# Altium PCB Goldstrike1_Rev01 2014 06 02 2.PcbDoc (part 1 of 6) (continued)
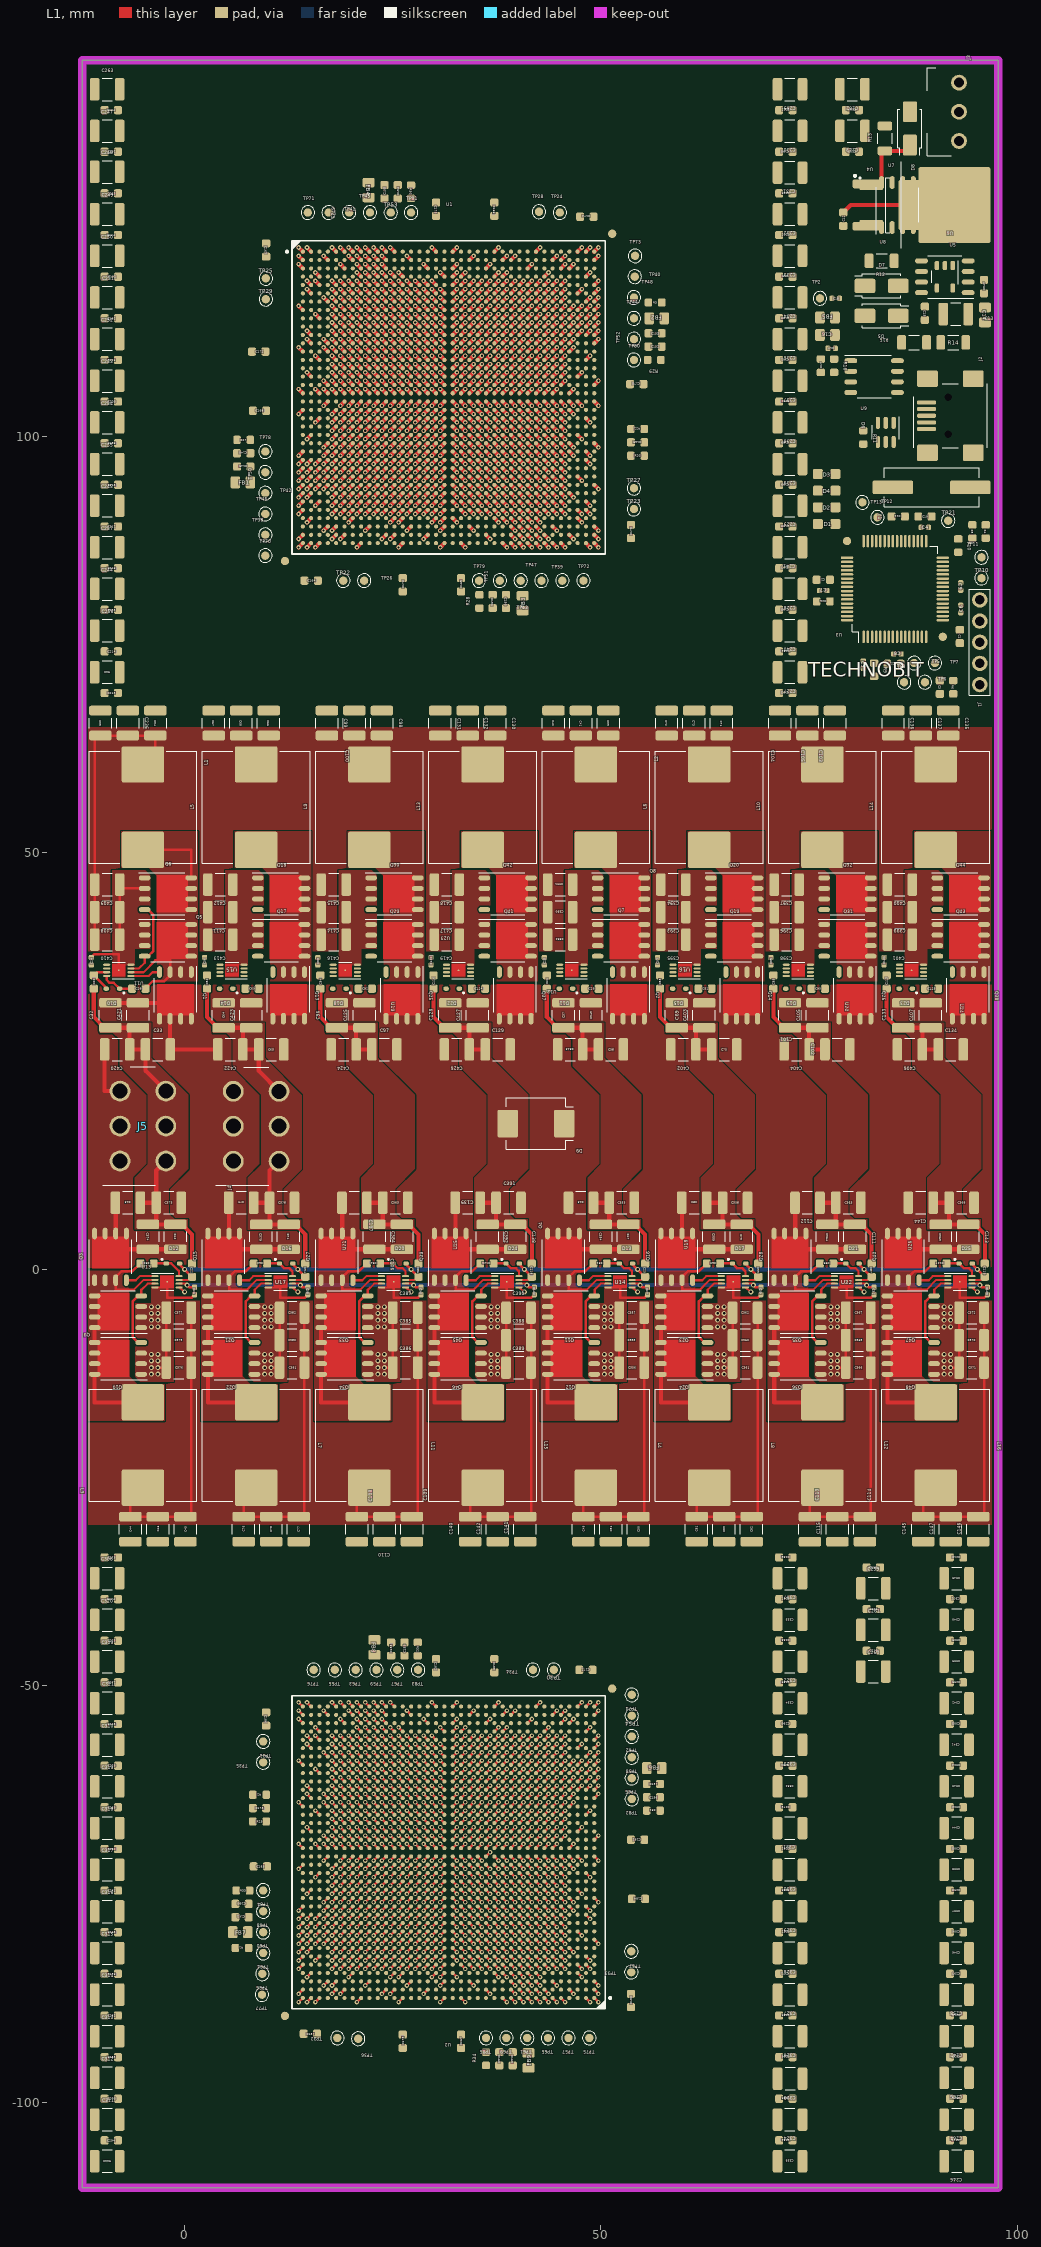
[diagram p0: L1 view]
## Design rules (kind name [scope] priority, off if disabled: settings) (continued)
PolygonConnect "Polygon Connect Style - L4 Round thru-hole pad from global defaults" [IsPad And OnMultiLayer And (PadShape_BottomLayer = 'Round') And (PadXSize_BottomLayer = PADYSize_BottomLayer) vs Layer = 'L4'] p23: connectstyle=Relief reliefconductorwidth=0.5 reliefentries=4 polygonreliefangle="90 Angle" airgapwidth=0.254
PolygonConnect "Polygon Connect Style - Via from round thru-hole global defaults" [IsVia] p24: connectstyle=Relief reliefconductorwidth=0.5 reliefentries=4 polygonreliefangle="90 Angle" airgapwidth=0.254
PolygonConnect "Polygon Connect Style - L1 Round thru-hole pad from global defaults" [IsPad And OnMultiLayer And (PadShape_TopLayer = 'Round') And (PadXSize_TopLayer = PADYSize_TopLayer) vs Layer = 'L1'] p25: connectstyle=Relief reliefconductorwidth=0.5 reliefentries=4 polygonreliefangle="90 Angle" airgapwidth=0.254
PolygonConnect "Polygon Connect Style - L4 Square thru-hole pad from global defaults" [IsPad And OnMultiLayer And ((PadShape_BottomLayer = 'Rectangular') Or (PadShape_BottomLayer = 'Octagonal') Or (PadShape_BottomLayer = 'Rounded Rectangle')) And (PadXSize_BottomLayer = PADYSize_BottomLayer) vs Layer = 'L4'] p26: connectstyle=Relief reliefconductorwidth=0.5 reliefentries=4 polygonreliefangle="90 Angle" airgapwidth=0.254
PolygonConnect "Polygon Connect Style - L1 Square thru-hole pad from global defaults" [IsPad And OnMultiLayer And ((PadShape_TopLayer = 'Rectangular') Or (PadShape_TopLayer = 'Octagonal') Or (PadShape_TopLayer = 'Rounded Rectangle')) And (PadXSize_TopLayer = PADYSize_TopLayer) vs Layer = 'L1'] p27: connectstyle=Relief reliefconductorwidth=0.5 reliefentries=4 polygonreliefangle="90 Angle" airgapwidth=0.254
PolygonConnect "Polygon Connect Style - L4 Rect thru-hole pad from global defaults" [IsPad And OnMultiLayer And ((PadShape_BottomLayer = 'Rectangular') Or (PadShape_BottomLayer = 'Octagonal') Or (PadShape_BottomLayer = 'Rounded Rectangle')) And (PadXSize_BottomLayer <> PADYSize_BottomLayer) vs Layer = 'L4'] p28: connectstyle=Relief reliefconductorwidth=0.5 reliefentries=4 polygonreliefangle="90 Angle" airgapwidth=0.254
PolygonConnect "Polygon Connect Style - L4 Square-rect thru-hole pad from global defaults" [IsPad And OnMultiLayer And (PadShape_BottomLayer = 'Rounded Rectangle') And (PadXSize_BottomLayer = PADYSize_BottomLayer) And (Pad_CornerRadius_BottomLayer = '0%') vs Layer = 'L4'] p29: connectstyle=Relief reliefconductorwidth=0.5 reliefentries=4 polygonreliefangle="90 Angle" airgapwidth=0.254
PolygonConnect "Polygon Connect Style - L1 Rect thru-hole pad from global defaults" [IsPad And OnMultiLayer And ((PadShape_TopLayer = 'Rectangular') Or (PadShape_TopLayer = 'Octagonal') Or (PadShape_TopLayer = 'Rounded Rectangle')) And (PadXSize_TopLayer <> PADYSize_TopLayer) vs Layer = 'L1'] p30: connectstyle=Relief reliefconductorwidth=0.5 reliefentries=4 polygonreliefangle="90 Angle" airgapwidth=0.254
PolygonConnect "Polygon Connect Style - L1 Square-rect thru-hole pad from global defaults" [IsPad And OnMultiLayer And (PadShape_TopLayer = 'Rounded Rectangle') And (PadXSize_TopLayer = PADYSize_TopLayer) And (Pad_CornerRadius_TopLayer = '0%') vs Layer = 'L1'] p31: connectstyle=Relief reliefconductorwidth=0.5 reliefentries=4 polygonreliefangle="90 Angle" airgapwidth=0.254
PolygonConnect "Polygon Connect Style - L4 Oval thru-hole pad from global defaults" [IsPad And OnMultiLayer And (PadShape_BottomLayer = 'Round') And (PadXSize_BottomLayer <> PADYSize_BottomLayer) vs Layer = 'L4'] p32: connectstyle=Relief reliefconductorwidth=0.5 reliefentries=4 polygonreliefangle="90 Angle" airgapwidth=0.254
PolygonConnect "Polygon Connect Style - L4 Round-oval thru-hole pad from global defaults" [IsPad And OnMultiLayer And (PadShape_BottomLayer = 'Rounded Rectangle') And (PadXSize_BottomLayer = PADYSize_BottomLayer) And (Pad_CornerRadius_BottomLayer = '100%') vs Layer = 'L4'] p33: connectstyle=Relief reliefconductorwidth=0.5 reliefentries=4 polygonreliefangle="90 Angle" airgapwidth=0.254
PolygonConnect "Polygon Connect Style - L1 Oval thru-hole pad from global defaults" [IsPad And OnMultiLayer And (PadShape_TopLayer = 'Round') And (PadXSize_TopLayer <> PADYSize_TopLayer) vs Layer = 'L1'] p34: connectstyle=Relief reliefconductorwidth=0.5 reliefentries=4 polygonreliefangle="90 Angle" airgapwidth=0.254
PolygonConnect "Polygon Connect Style - L1 Round-oval thru-hole pad from global defaults" [IsPad And OnMultiLayer And (PadShape_TopLayer = 'Rounded Rectangle') And (PadXSize_TopLayer = PADYSize_TopLayer) And (Pad_CornerRadius_TopLayer = '100%') vs Layer = 'L1'] p35: connectstyle=Relief reliefconductorwidth=0.5 reliefentries=4 polygonreliefangle="90 Angle" airgapwidth=0.254
PolygonConnect [All] p36: connectstyle=Relief reliefconductorwidth=0.254 reliefentries=4 polygonreliefangle="90 Angle" airgapwidth=0.254
RoutingLayers "'Default' PADS rule_3" [All] p1: top layer_v5=TRUE bottom layer_v5=TRUE
RoutingPriority "'Default' PADS rule_2" [All] p1: routingpriority=3
RoutingTopology "'Default' PADS rule" [All] p1: topology=Shortest
RoutingVias "'Default' PADS rule_4" [All] p1: holewidth=0.3 width=0.6 viastyle="Through Hole" minholewidth=0.3 minwidth=0.6 maxholewidth=0.3 maxwidth=0.6
SMDToCorner "'All on Layer' PADS rule_33" [OnLayer('L1') vs OnLayer('L1')] p1: distance=39370
SMDToCorner "'Default' PADS rule_17" [All] p2: distance=39370
SMDToPlane "'All on Layer' PADS rule_34" [OnLayer('L1') vs OnLayer('L1')] p1: distance=39370
SMDToPlane "'Default' PADS rule_18" [All] p2: distance=39370
SolderMaskExpansion [All] p1: expansion=0.102
StubLength "'Default' PADS rule_6" [All] p1: limit=25.4
Width "'All on Layer' PADS rule" [OnLayer('L1') vs OnLayer('L1')] p1: maxlimit=3 minlimit=0.2 preferedwidth=0.3
Width "'Default' PADS rule_14" [All] p2: maxlimit=3 minlimit=0.2 preferedwidth=0.5
22 further rules are at their usual default settings.

## Components (designator, comment, footprint, x,y, rotation, side; value= is the part's Value field where it differs from the comment)
C1 "SMD_0603_CAPC1608X95N" SMD_0603_CAPC1608X95N 93.1,76 r270 top
C2 "SMD_0603_CAPC1608X95N" SMD_0603_CAPC1608X95N 76.7,82.8 r180 top
C3 "SMD_0603_CAPC1608X95N" SMD_0603_CAPC1608X95N 90.7,69.9 r270 top
C4 "SMD_0402_CAPC1005X55N" SMD_0402_CAPC1005X55N 88.9,89.1 r0 top
C5 "SMD_0402_CAPC1005X55N" SMD_0402_CAPC1005X55N 81.5,72.6 r270 top
C6 "SMD_0402_CAPC1005X55N" SMD_0402_CAPC1005X55N 93.2,79.3 r90 top
C7 "SMD_0402_CAPC1005X55N" SMD_0402_CAPC1005X55N 76.7,81.5 r180 top
C8 "SMD_0402_CAPC1005X55N" SMD_0402_CAPC1005X55N 85.6,73.9 r180 top
C9 "SMD_0402_CAPC1005X55N" SMD_0402_CAPC1005X55N 93.2,82 r270 top
C10 "SMD_0603_CAPC1608X95N" SMD_0603_CAPC1608X95N 88.9,90.4 r0 top
C11 "SMD_0603_CAPC1608X95N" SMD_0603_CAPC1608X95N 85.7,90.4 r180 top
C12 "SMD_0603_CAPC1608X95N" SMD_0603_CAPC1608X95N 79.1,126.1 r90 top
C13 "SMD_1210_CAPC3225X279N" SMD_1210_CAPC3225X279N 92.6,114.7 r0 top
C14 "SMD_0805_CAPC2012X145N" SMD_0805_CAPC2012X145N 96.1,114.6 r270 top
C15 "SMD_0603_CAPC1608X95N" SMD_0603_CAPC1608X95N 88.9,114.8 r270 top
C16 "SMD_0805_CAPC2012X145N" SMD_0805_CAPC2012X145N 77.2,112.2 r180 top
C17 "SMD_0402_CAPC1005X55N" SMD_0402_CAPC1005X55N 77.7,110.6 r180 top
C18 "SMD_0402_CAPC1005X55N" SMD_0402_CAPC1005X55N 78.2,116.6 r0 top
C19 "SMD_0603_CAPC1608X95N" SMD_0603_CAPC1608X95N 72.2,119.2 r180 top
C20 "SMD_0603_CAPC1608X95N" SMD_0603_CAPC1608X95N -10.9,34.5 r90 top
C21 "SMD_0603_CAPC1608X95N" SMD_0603_CAPC1608X95N 43.5,34.5 r90 top
C22 "SMD_0603_CAPC1608X95N" SMD_0603_CAPC1608X95N 0.9,-0.1 r270 top
C23 "SMD_0603_CAPC1608X95N" SMD_0603_CAPC1608X95N 55.3,-0.1 r270 top
C24 "SMD_0402_CAPC1005X55N" SMD_0402_CAPC1005X55N -11.2,37 r90 top
C25 "SMD_0402_CAPC1005X55N" SMD_0402_CAPC1005X55N 43.2,37 r90 top
C26 "SMD_0402_CAPC1005X55N" SMD_0402_CAPC1005X55N 1.2,-2.6 r270 top
C27 "SMD_0402_CAPC1005X55N" SMD_0402_CAPC1005X55N 55.6,-2.6 r270 top
C28 "SMD_0603_CAPC1608X95N" SMD_0603_CAPC1608X95N -5.5,33.7 r0 top
C29 "SMD_0603_CAPC1608X95N" SMD_0603_CAPC1608X95N 48.9,33.7 r0 top
C30 "SMD_0603_CAPC1608X95N" SMD_0603_CAPC1608X95N -4.5,0.7 r180 top
C31 "SMD_0603_CAPC1608X95N" SMD_0603_CAPC1608X95N 49.9,0.7 r180 top
C32 "SMD_1210_CAPC3225X270N" SMD_1210_CAPC3225X270N -8.9,30.5 r90 top
C33 "SMD_1210_CAPC3225X270N" SMD_1210_CAPC3225X270N -3.2,26.4 r0 top
C34 "SMD_1210_CAPC3225X279N" SMD_1210_CAPC3225X279N -3.5,65.6 r270 top
C35 "SMD_1210_CAPC3225X279N" SMD_1210_CAPC3225X279N -10.1,65.6 r270 top
C36 "SMD_1210_CAPC3225X279N" SMD_1210_CAPC3225X279N -9.3,71.7 r0 top
C37 "SMD_1210_CAPC3225X270N" SMD_1210_CAPC3225X270N 45.5,30.5 r90 top
C38 "SMD_1210_CAPC3225X270N" SMD_1210_CAPC3225X270N 51.2,26.4 r0 top
C39 "SMD_1210_CAPC3225X279N" SMD_1210_CAPC3225X279N 50.9,65.6 r270 top
C40 "SMD_1210_CAPC3225X279N" SMD_1210_CAPC3225X279N 44.3,65.6 r270 top
C41 "SMD_1210_CAPC3225X279N" SMD_1210_CAPC3225X279N 47.6,65.6 r270 top
C42 "SMD_1210_CAPC3225X270N" SMD_1210_CAPC3225X270N -1.1,3.9 r270 top
C43 "SMD_1210_CAPC3225X270N" SMD_1210_CAPC3225X270N -6.8,8 r180 top
C44 "SMD_1210_CAPC3225X279N" SMD_1210_CAPC3225X279N -6.5,-31.2 r90 top
C45 "SMD_1210_CAPC3225X279N" SMD_1210_CAPC3225X279N 0.1,-31.2 r90 top
C46 "SMD_1210_CAPC3225X279N" SMD_1210_CAPC3225X279N -3.2,-31.2 r90 top
C47 "SMD_1210_CAPC3225X270N" SMD_1210_CAPC3225X270N 53.3,3.9 r270 top
C48 "SMD_1210_CAPC3225X270N" SMD_1210_CAPC3225X270N 47.6,8 r180 top
C49 "SMD_1210_CAPC3225X279N" SMD_1210_CAPC3225X279N 47.9,-31.2 r90 top
C50 "SMD_1210_CAPC3225X279N" SMD_1210_CAPC3225X279N 54.5,-31.2 r90 top
C51 "SMD_1210_CAPC3225X279N" SMD_1210_CAPC3225X279N 51.2,-31.2 r90 top
C52 "SMD_0603_CAPC1608X95N" SMD_0603_CAPC1608X95N 2.7,34.5 r90 top
C53 "SMD_0603_CAPC1608X95N" SMD_0603_CAPC1608X95N 57.1,34.5 r90 top
C54 "SMD_0603_CAPC1608X95N" SMD_0603_CAPC1608X95N 14.5,-0.1 r270 top
C55 "SMD_0603_CAPC1608X95N" SMD_0603_CAPC1608X95N 68.9,-0.1 r270 top
C56 "SMD_0402_CAPC1005X55N" SMD_0402_CAPC1005X55N 2.4,37 r90 top
C57 "SMD_0402_CAPC1005X55N" SMD_0402_CAPC1005X55N 56.8,37 r90 top
C58 "SMD_0402_CAPC1005X55N" SMD_0402_CAPC1005X55N 14.8,-2.6 r270 top
C59 "SMD_0402_CAPC1005X55N" SMD_0402_CAPC1005X55N 69.2,-2.6 r270 top
C60 "SMD_0603_CAPC1608X95N" SMD_0603_CAPC1608X95N 8.1,33.7 r0 top
C61 "SMD_0603_CAPC1608X95N" SMD_0603_CAPC1608X95N 62.5,33.7 r0 top
C62 "SMD_0603_CAPC1608X95N" SMD_0603_CAPC1608X95N 9.1,0.7 r180 top
C63 "SMD_0603_CAPC1608X95N" SMD_0603_CAPC1608X95N 63.5,0.7 r180 top
C64 "SMD_1210_CAPC3225X270N" SMD_1210_CAPC3225X270N 4.7,30.5 r90 top
C65 "SMD_1210_CAPC3225X270N" SMD_1210_CAPC3225X270N 10.4,26.4 r0 top
C66 "SMD_1210_CAPC3225X279N" SMD_1210_CAPC3225X279N 10.1,65.6 r270 top
C67 "SMD_1210_CAPC3225X279N" SMD_1210_CAPC3225X279N 3.5,65.6 r270 top
C68 "SMD_1210_CAPC3225X279N" SMD_1210_CAPC3225X279N 6.8,65.6 r270 top
C69 "SMD_1210_CAPC3225X270N" SMD_1210_CAPC3225X270N 59.1,30.5 r90 top
C70 "SMD_1210_CAPC3225X270N" SMD_1210_CAPC3225X270N 64.8,26.4 r0 top
C71 "SMD_1210_CAPC3225X279N" SMD_1210_CAPC3225X279N 64.5,65.6 r270 top
C72 "SMD_1210_CAPC3225X279N" SMD_1210_CAPC3225X279N 57.9,65.6 r270 top
C73 "SMD_1210_CAPC3225X279N" SMD_1210_CAPC3225X279N 61.2,65.6 r270 top
C74 "SMD_1210_CAPC3225X270N" SMD_1210_CAPC3225X270N 12.5,3.9 r270 top
C75 "SMD_1210_CAPC3225X270N" SMD_1210_CAPC3225X270N 6.8,8 r180 top
C76 "SMD_1210_CAPC3225X279N" SMD_1210_CAPC3225X279N 7.1,-31.2 r90 top
C77 "SMD_1210_CAPC3225X279N" SMD_1210_CAPC3225X279N 13.7,-31.2 r90 top
C78 "SMD_1210_CAPC3225X279N" SMD_1210_CAPC3225X279N 10.4,-31.2 r90 top
C79 "SMD_1210_CAPC3225X270N" SMD_1210_CAPC3225X270N 66.9,3.9 r270 top
C80 "SMD_1210_CAPC3225X270N" SMD_1210_CAPC3225X270N 61.2,8 r180 top
C81 "SMD_1210_CAPC3225X279N" SMD_1210_CAPC3225X279N 61.5,-31.2 r90 top
C82 "SMD_1210_CAPC3225X279N" SMD_1210_CAPC3225X279N 68.1,-31.2 r90 top
C83 "SMD_1210_CAPC3225X279N" SMD_1210_CAPC3225X279N 64.8,-31.2 r90 top
C84 "SMD_0603_CAPC1608X95N" SMD_0603_CAPC1608X95N 16.3,34.5 r90 top
C85 "SMD_0603_CAPC1608X95N" SMD_0603_CAPC1608X95N 70.7,34.5 r90 top
C86 "SMD_0603_CAPC1608X95N" SMD_0603_CAPC1608X95N 28.1,-0.1 r270 top
C87 "SMD_0603_CAPC1608X95N" SMD_0603_CAPC1608X95N 82.5,-0.1 r270 top
C88 "SMD_0402_CAPC1005X55N" SMD_0402_CAPC1005X55N 16,37 r90 top
C89 "SMD_0402_CAPC1005X55N" SMD_0402_CAPC1005X55N 70.4,37 r90 top
C90 "SMD_0402_CAPC1005X55N" SMD_0402_CAPC1005X55N 28.4,-2.6 r270 top
C91 "SMD_0402_CAPC1005X55N" SMD_0402_CAPC1005X55N 82.8,-2.6 r270 top
C92 "SMD_0603_CAPC1608X95N" SMD_0603_CAPC1608X95N 21.7,33.7 r0 top
C93 "SMD_0603_CAPC1608X95N" SMD_0603_CAPC1608X95N 76.1,33.7 r0 top
C94 "SMD_0603_CAPC1608X95N" SMD_0603_CAPC1608X95N 22.7,0.7 r180 top
C95 "SMD_0603_CAPC1608X95N" SMD_0603_CAPC1608X95N 77.1,0.7 r180 top
C96 "SMD_1210_CAPC3225X270N" SMD_1210_CAPC3225X270N 18.3,30.5 r90 top
C97 "SMD_1210_CAPC3225X270N" SMD_1210_CAPC3225X270N 24,26.4 r0 top
C98 "SMD_1210_CAPC3225X279N" SMD_1210_CAPC3225X279N 23.7,65.6 r270 top
C99 "SMD_1210_CAPC3225X279N" SMD_1210_CAPC3225X279N 17.1,65.6 r270 top
C100 "SMD_1210_CAPC3225X279N" SMD_1210_CAPC3225X279N 20.4,65.6 r270 top
C101 "SMD_1210_CAPC3225X270N" SMD_1210_CAPC3225X270N 72.7,30.5 r90 top
C102 "SMD_1210_CAPC3225X270N" SMD_1210_CAPC3225X270N 78.4,26.4 r0 top
C103 "SMD_1210_CAPC3225X279N" SMD_1210_CAPC3225X279N 78.1,65.6 r270 top
C104 "SMD_1210_CAPC3225X279N" SMD_1210_CAPC3225X279N 71.5,65.6 r270 top
C105 "SMD_1210_CAPC3225X279N" SMD_1210_CAPC3225X279N 74.8,65.6 r270 top
C106 "SMD_1210_CAPC3225X270N" SMD_1210_CAPC3225X270N 26.1,3.9 r270 top
C107 "SMD_1210_CAPC3225X270N" SMD_1210_CAPC3225X270N 20.4,8 r180 top
C108 "SMD_1210_CAPC3225X279N" SMD_1210_CAPC3225X279N 20.7,-31.2 r90 top
C109 "SMD_1210_CAPC3225X279N" SMD_1210_CAPC3225X279N 27.3,-31.2 r90 top
C110 "SMD_1210_CAPC3225X279N" SMD_1210_CAPC3225X279N 24,-31.2 r90 top
C111 "SMD_1210_CAPC3225X270N" SMD_1210_CAPC3225X270N 80.5,3.9 r270 top
C112 "SMD_1210_CAPC3225X270N" SMD_1210_CAPC3225X270N 74.8,8 r180 top
C113 "SMD_1210_CAPC3225X279N" SMD_1210_CAPC3225X279N 75.1,-31.2 r90 top
C114 "SMD_1210_CAPC3225X279N" SMD_1210_CAPC3225X279N 81.7,-31.2 r90 top
C115 "SMD_1210_CAPC3225X279N" SMD_1210_CAPC3225X279N 78.4,-31.2 r90 top
C116 "SMD_0603_CAPC1608X95N" SMD_0603_CAPC1608X95N 29.9,34.5 r90 top
C117 "SMD_0603_CAPC1608X95N" SMD_0603_CAPC1608X95N 84.3,34.5 r90 top
C118 "SMD_0603_CAPC1608X95N" SMD_0603_CAPC1608X95N 41.7,-0.1 r270 top
C119 "SMD_0603_CAPC1608X95N" SMD_0603_CAPC1608X95N 96.1,-0.1 r270 top
C120 "SMD_0402_CAPC1005X55N" SMD_0402_CAPC1005X55N 29.6,37 r90 top
C121 "SMD_0402_CAPC1005X55N" SMD_0402_CAPC1005X55N 84,37 r90 top
C122 "SMD_0402_CAPC1005X55N" SMD_0402_CAPC1005X55N 42,-2.6 r270 top
C123 "SMD_0402_CAPC1005X55N" SMD_0402_CAPC1005X55N 96.4,-2.6 r270 top
C124 "SMD_0603_CAPC1608X95N" SMD_0603_CAPC1608X95N 35.3,33.7 r0 top
C125 "SMD_0603_CAPC1608X95N" SMD_0603_CAPC1608X95N 89.7,33.7 r0 top
C126 "SMD_0603_CAPC1608X95N" SMD_0603_CAPC1608X95N 36.3,0.7 r180 top
C127 "SMD_0603_CAPC1608X95N" SMD_0603_CAPC1608X95N 90.7,0.7 r180 top
C128 "SMD_1210_CAPC3225X270N" SMD_1210_CAPC3225X270N 31.9,30.5 r90 top
C129 "SMD_1210_CAPC3225X270N" SMD_1210_CAPC3225X270N 37.6,26.4 r0 top
C130 "SMD_1210_CAPC3225X279N" SMD_1210_CAPC3225X279N 37.3,65.6 r270 top
C131 "SMD_1210_CAPC3225X279N" SMD_1210_CAPC3225X279N 30.7,65.6 r270 top
C132 "SMD_1210_CAPC3225X279N" SMD_1210_CAPC3225X279N 34,65.6 r270 top
C133 "SMD_1210_CAPC3225X270N" SMD_1210_CAPC3225X270N 86.3,30.5 r90 top
C134 "SMD_1210_CAPC3225X270N" SMD_1210_CAPC3225X270N 92,26.4 r0 top
C135 "SMD_1210_CAPC3225X279N" SMD_1210_CAPC3225X279N 91.7,65.6 r270 top
C136 "SMD_1210_CAPC3225X279N" SMD_1210_CAPC3225X279N 85.1,65.6 r270 top
C137 "SMD_1210_CAPC3225X279N" SMD_1210_CAPC3225X279N 88.4,65.6 r270 top
C138 "SMD_1210_CAPC3225X270N" SMD_1210_CAPC3225X270N 39.7,3.9 r270 top
C139 "SMD_1210_CAPC3225X270N" SMD_1210_CAPC3225X270N 34,8 r180 top
C140 "SMD_1210_CAPC3225X279N" SMD_1210_CAPC3225X279N 34.3,-31.2 r90 top
C141 "SMD_1210_CAPC3225X279N" SMD_1210_CAPC3225X279N 40.9,-31.2 r90 top
C142 "SMD_1210_CAPC3225X279N" SMD_1210_CAPC3225X279N 37.6,-31.2 r90 top
C143 "SMD_1210_CAPC3225X270N" SMD_1210_CAPC3225X270N 94.1,3.9 r270 top
C144 "SMD_1210_CAPC3225X270N" SMD_1210_CAPC3225X270N 88.4,8 r180 top
C145 "SMD_1210_CAPC3225X279N" SMD_1210_CAPC3225X279N 88.7,-31.2 r90 top
C146 "SMD_1210_CAPC3225X279N" SMD_1210_CAPC3225X279N 95.3,-31.2 r90 top
C147 "SMD_1210_CAPC3225X279N" SMD_1210_CAPC3225X279N 92,-31.2 r90 top
C148 "SMD_0603_CAPC1608X95N" SMD_0603_CAPC1608X95N 7.1,98 r180 top
C149 "SMD_0603_CAPC1608X95N" SMD_0603_CAPC1608X95N 7.1,96.4 r180 top
C150 "SMD_0603_CAPC1608X95N" SMD_0603_CAPC1608X95N 38.6,80.2 r270 top
C151 "SMD_0603_CAPC1608X95N" SMD_0603_CAPC1608X95N 37,80.2 r270 top
C152 "SMD_0603_CAPC1608X95N" SMD_0603_CAPC1608X95N 56.5,110.8 r0 top
C153 "SMD_0603_CAPC1608X95N" SMD_0603_CAPC1608X95N 56.5,112.4 r0 top
C154 "SMD_0603_CAPC1608X95N" SMD_0603_CAPC1608X95N 25.6,129.4 r90 top
C155 "SMD_0603_CAPC1608X95N" SMD_0603_CAPC1608X95N 24,129.4 r90 top
C156 "SMD_0603_CAPC1608X95N" SMD_0603_CAPC1608X95N 56.3,-63.4 r0 top
C157 "SMD_0603_CAPC1608X95N" SMD_0603_CAPC1608X95N 56.3,-61.8 r0 top
C158 "SMD_0603_CAPC1608X95N" SMD_0603_CAPC1608X95N 24.8,-45.6 r90 top
C159 "SMD_0603_CAPC1608X95N" SMD_0603_CAPC1608X95N 26.4,-45.6 r90 top
C160 "SMD_0603_CAPC1608X95N" SMD_0603_CAPC1608X95N 6.9,-76.2 r180 top
C161 "SMD_0603_CAPC1608X95N" SMD_0603_CAPC1608X95N 6.9,-77.8 r180 top
C162 "SMD_0603_CAPC1608X95N" SMD_0603_CAPC1608X95N 37.8,-94.8 r270 top
C163 "SMD_0603_CAPC1608X95N" SMD_0603_CAPC1608X95N 39.4,-94.8 r270 top
C164 "SMD_0603_CAPC1608X95N" SMD_0603_CAPC1608X95N 15.2,82.7 r0 top
C165 "SMD_0603_CAPC1608X95N" SMD_0603_CAPC1608X95N 54.4,99.3 r180 top
C166 "SMD_0603_CAPC1608X95N" SMD_0603_CAPC1608X95N 37.2,127.3 r270 top
C167 "SMD_0603_CAPC1608X95N" SMD_0603_CAPC1608X95N 9.8,122.4 r270 top
C168 "SMD_0603_CAPC1608X95N" SMD_0603_CAPC1608X95N 9,103.1 r0 top
C169 "SMD_0603_CAPC1608X95N" SMD_0603_CAPC1608X95N 33.2,82.2 r90 top
C170 "SMD_0603_CAPC1608X95N" SMD_0603_CAPC1608X95N 54.3,106.3 r180 top
C171 "SMD_0603_CAPC1608X95N" SMD_0603_CAPC1608X95N 8.9,110.2 r0 top
C172 "SMD_0603_CAPC1608X95N" SMD_0603_CAPC1608X95N 26.2,82.2 r90 top
C173 "SMD_0603_CAPC1608X95N" SMD_0603_CAPC1608X95N 53.6,88.6 r90 top
C174 "SMD_0603_CAPC1608X95N" SMD_0603_CAPC1608X95N 48.3,126.4 r180 top
C175 "SMD_0603_CAPC1608X95N" SMD_0603_CAPC1608X95N 30.2,127.3 r270 top
C176 "SMD_0603_CAPC1608X95N" SMD_0603_CAPC1608X95N -8.8,-84.6 r0 top
C177 "SMD_0603_CAPC1608X95N" SMD_0603_CAPC1608X95N 48.2,-48.1 r180 top
C178 "SMD_0603_CAPC1608X95N" SMD_0603_CAPC1608X95N 9,-64.7 r0 top
C179 "SMD_0603_CAPC1608X95N" SMD_0603_CAPC1608X95N 26.2,-92.7 r90 top
C180 "SMD_0603_CAPC1608X95N" SMD_0603_CAPC1608X95N 53.6,-87.8 r90 top
C181 "SMD_0603_CAPC1608X95N" SMD_0603_CAPC1608X95N 54.4,-68.5 r180 top
C182 "SMD_0603_CAPC1608X95N" SMD_0603_CAPC1608X95N 30.2,-47.6 r270 top
C183 "SMD_0603_CAPC1608X95N" SMD_0603_CAPC1608X95N 9.1,-71.7 r0 top
C184 "SMD_0603_CAPC1608X95N" SMD_0603_CAPC1608X95N 54.5,-75.6 r180 top
C185 "SMD_0603_CAPC1608X95N" SMD_0603_CAPC1608X95N 37.2,-47.6 r270 top
C186 "SMD_0603_CAPC1608X95N" SMD_0603_CAPC1608X95N 9.8,-54 r270 top
C187 "SMD_0603_CAPC1608X95N" SMD_0603_CAPC1608X95N 15.1,-91.8 r0 top
C188 "SMD_0603_CAPC1608X95N" SMD_0603_CAPC1608X95N 72.2,114.2 r180 top
C189 "SMD_0603_CAPC1608X95N" SMD_0603_CAPC1608X95N 72.2,99.2 r180 top
C190 "SMD_0603_CAPC1608X95N" SMD_0603_CAPC1608X95N 72.2,134.2 r180 top
C191 "SMD_0603_CAPC1608X95N" SMD_0603_CAPC1608X95N -8.8,119.2 r0 top
C192 "SMD_0603_CAPC1608X95N" SMD_0603_CAPC1608X95N -8.8,114.2 r0 top
C193 "SMD_0603_CAPC1608X95N" SMD_0603_CAPC1608X95N 72.2,69.2 r180 top
C194 "SMD_0603_CAPC1608X95N" SMD_0603_CAPC1608X95N 72.2,74.2 r180 top
C195 "SMD_0603_CAPC1608X95N" SMD_0603_CAPC1608X95N 72.2,79.2 r180 top
C196 "SMD_0603_CAPC1608X95N" SMD_0603_CAPC1608X95N -8.8,99.2 r0 top
C197 "SMD_0603_CAPC1608X95N" SMD_0603_CAPC1608X95N 72.2,84.2 r180 top
C198 "SMD_0603_CAPC1608X95N" SMD_0603_CAPC1608X95N 72.2,89.2 r180 top
C199 "SMD_0603_CAPC1608X95N" SMD_0603_CAPC1608X95N 72.2,94.2 r180 top
C200 "SMD_0603_CAPC1608X95N" SMD_0603_CAPC1608X95N 72.2,104.2 r180 top
C201 "SMD_0603_CAPC1608X95N" SMD_0603_CAPC1608X95N 72.2,109.2 r180 top
C202 "SMD_0603_CAPC1608X95N" SMD_0603_CAPC1608X95N 72.2,124.2 r180 top
C203 "SMD_0603_CAPC1608X95N" SMD_0603_CAPC1608X95N 72.2,129.2 r180 top
C204 "SMD_0603_CAPC1608X95N" SMD_0603_CAPC1608X95N -8.8,139.2 r0 top
C205 "SMD_0603_CAPC1608X95N" SMD_0603_CAPC1608X95N 80.2,134.2 r180 top
C206 "SMD_0603_CAPC1608X95N" SMD_0603_CAPC1608X95N 82.7,-40.8 r0 top
C207 "SMD_0603_CAPC1608X95N" SMD_0603_CAPC1608X95N -8.8,134.2 r0 top
C208 "SMD_0603_CAPC1608X95N" SMD_0603_CAPC1608X95N 82.7,-35.8 r0 top
C209 "SMD_0603_CAPC1608X95N" SMD_0603_CAPC1608X95N 80.2,139.2 r180 top
C210 "SMD_0603_CAPC1608X95N" SMD_0603_CAPC1608X95N 92.7,-34.6 r180 top
C211 "SMD_0603_CAPC1608X95N" SMD_0603_CAPC1608X95N 92.7,-104.6 r180 top
C212 "SMD_0603_CAPC1608X95N" SMD_0603_CAPC1608X95N 92.7,-89.6 r180 top
C213 "SMD_0603_CAPC1608X95N" SMD_0603_CAPC1608X95N -8.8,69.2 r0 top
C214 "SMD_0603_CAPC1608X95N" SMD_0603_CAPC1608X95N -8.8,74.2 r0 top
C215 "SMD_0603_CAPC1608X95N" SMD_0603_CAPC1608X95N -8.8,79.2 r0 top
C216 "SMD_0603_CAPC1608X95N" SMD_0603_CAPC1608X95N -8.8,84.2 r0 top
C217 "SMD_0603_CAPC1608X95N" SMD_0603_CAPC1608X95N -8.8,89.2 r0 top
C218 "SMD_0603_CAPC1608X95N" SMD_0603_CAPC1608X95N -8.8,94.2 r0 top
C219 "SMD_0603_CAPC1608X95N" SMD_0603_CAPC1608X95N 82.7,-45.8 r0 top
C220 "SMD_0603_CAPC1608X95N" SMD_0603_CAPC1608X95N -8.8,104.2 r0 top
C221 "SMD_0603_CAPC1608X95N" SMD_0603_CAPC1608X95N -8.8,109.2 r0 top
C222 "SMD_0603_CAPC1608X95N" SMD_0603_CAPC1608X95N 72.2,139.2 r180 top
C223 "SMD_0603_CAPC1608X95N" SMD_0603_CAPC1608X95N 92.7,-94.6 r180 top
C224 "SMD_0603_CAPC1608X95N" SMD_0603_CAPC1608X95N -8.8,124.2 r0 top
C225 "SMD_0603_CAPC1608X95N" SMD_0603_CAPC1608X95N -8.8,129.2 r0 top
C226 "SMD_0603_CAPC1608X95N" SMD_0603_CAPC1608X95N 92.7,-99.6 r180 top
C227 "SMD_1210_CAPC3225X279N" SMD_1210_CAPC3225X279N 72.7,71.7 r180 top
C228 "SMD_1210_CAPC3225X279N" SMD_1210_CAPC3225X279N 72.7,81.7 r180 top
C229 "SMD_1210_CAPC3225X279N" SMD_1210_CAPC3225X279N 72.7,91.7 r180 top
C230 "SMD_1210_CAPC3225X279N" SMD_1210_CAPC3225X279N 72.7,136.7 r180 top
C231 "SMD_1210_CAPC3225X279N" SMD_1210_CAPC3225X279N 72.7,131.7 r180 top
C232 "SMD_1210_CAPC3225X279N" SMD_1210_CAPC3225X279N 72.7,126.7 r180 top
C233 "SMD_1210_CAPC3225X279N" SMD_1210_CAPC3225X279N 72.7,121.7 r180 top
C234 "SMD_1210_CAPC3225X279N" SMD_1210_CAPC3225X279N 72.7,116.7 r180 top
C235 "SMD_1210_CAPC3225X279N" SMD_1210_CAPC3225X279N 72.7,111.7 r180 top
C236 "SMD_1210_CAPC3225X279N" SMD_1210_CAPC3225X279N -6.8,65.6 r270 top
C237 "SMD_1210_CAPC3225X279N" SMD_1210_CAPC3225X279N 72.7,106.7 r180 top
C238 "SMD_1210_CAPC3225X279N" SMD_1210_CAPC3225X279N 72.7,101.7 r180 top
C239 "SMD_1210_CAPC3225X279N" SMD_1210_CAPC3225X279N 72.7,96.7 r180 top
C240 "SMD_1210_CAPC3225X279N" SMD_1210_CAPC3225X279N 72.7,76.7 r180 top
C241 "SMD_1210_CAPC3225X279N" SMD_1210_CAPC3225X279N 72.7,86.7 r180 top
C242 "SMD_1210_CAPC3225X279N" SMD_1210_CAPC3225X279N 92.7,-92.1 r180 top
C243 "SMD_1210_CAPC3225X279N" SMD_1210_CAPC3225X279N 80.2,136.7 r180 top
C244 "SMD_1210_CAPC3225X279N" SMD_1210_CAPC3225X279N -9.3,81.7 r0 top
C245 "SMD_1210_CAPC3225X279N" SMD_1210_CAPC3225X279N -9.3,91.7 r0 top
C246 "SMD_1210_CAPC3225X279N" SMD_1210_CAPC3225X279N 92.7,-107.1 r180 top
C247 "SMD_1210_CAPC3225X279N" SMD_1210_CAPC3225X279N -9.3,136.7 r0 top
C248 "SMD_1210_CAPC3225X279N" SMD_1210_CAPC3225X279N -9.302,131.797 r0 top
C249 "SMD_1210_CAPC3225X279N" SMD_1210_CAPC3225X279N -9.3,126.7 r0 top
C250 "SMD_1210_CAPC3225X279N" SMD_1210_CAPC3225X279N -9.3,121.7 r0 top
C251 "SMD_1210_CAPC3225X279N" SMD_1210_CAPC3225X279N -9.3,116.7 r0 top
C252 "SMD_1210_CAPC3225X279N" SMD_1210_CAPC3225X279N -9.3,111.7 r0 top
C253 "SMD_1210_CAPC3225X279N" SMD_1210_CAPC3225X279N -9.3,106.7 r0 top
C254 "SMD_1210_CAPC3225X279N" SMD_1210_CAPC3225X279N -9.3,101.7 r0 top
C255 "SMD_1210_CAPC3225X279N" SMD_1210_CAPC3225X279N -9.3,96.7 r0 top
C256 "SMD_1210_CAPC3225X279N" SMD_1210_CAPC3225X279N -9.3,76.7 r0 top
C257 "SMD_1210_CAPC3225X279N" SMD_1210_CAPC3225X279N -9.3,86.7 r0 top
C258 "SMD_1210_CAPC3225X279N" SMD_1210_CAPC3225X279N 92.7,-87.1 r180 top
C259 "SMD_1210_CAPC3225X279N" SMD_1210_CAPC3225X279N 82.7,-38.3 r0 top
C260 "SMD_1210_CAPC3225X279N" SMD_1210_CAPC3225X279N 82.7,-48.3 r0 top
C261 "SMD_1210_CAPC3225X279N" SMD_1210_CAPC3225X279N 82.7,-43.3 r0 top
C262 "SMD_1210_CAPC3225X279N" SMD_1210_CAPC3225X279N 80.2,141.7 r180 top
C263 "SMD_1210_CAPC3225X279N" SMD_1210_CAPC3225X279N -9.3,141.7 r0 top
C264 "SMD_1210_CAPC3225X279N" SMD_1210_CAPC3225X279N 92.7,-102.1 r180 top
C265 "SMD_1210_CAPC3225X279N" SMD_1210_CAPC3225X279N 72.7,141.7 r180 top
C266 "SMD_1210_CAPC3225X279N" SMD_1210_CAPC3225X279N 92.7,-97.1 r180 top
C267 "SMD_0603_CAPC1608X95N" SMD_0603_CAPC1608X95N 33.2,-92.7 r90 top
C268 "SMD_0603_CAPC1608X95N" SMD_0603_CAPC1608X95N -8.8,-79.6 r0 top
C269 "SMD_0603_CAPC1608X95N" SMD_0603_CAPC1608X95N -8.8,-64.6 r0 top
C270 "SMD_0603_CAPC1608X95N" SMD_0603_CAPC1608X95N -8.8,-99.6 r0 top
C271 "SMD_0603_CAPC1608X95N" SMD_0603_CAPC1608X95N 72.2,-84.6 r180 top
C272 "SMD_0603_CAPC1608X95N" SMD_0603_CAPC1608X95N 72.2,-79.6 r180 top
C273 "SMD_0603_CAPC1608X95N" SMD_0603_CAPC1608X95N -8.8,-34.6 r0 top
C274 "SMD_0603_CAPC1608X95N" SMD_0603_CAPC1608X95N -8.8,-39.6 r0 top
C275 "SMD_0603_CAPC1608X95N" SMD_0603_CAPC1608X95N -8.8,-44.6 r0 top
C276 "SMD_0603_CAPC1608X95N" SMD_0603_CAPC1608X95N 72.2,-64.6 r180 top
C277 "SMD_0603_CAPC1608X95N" SMD_0603_CAPC1608X95N -8.8,-49.6 r0 top
C278 "SMD_0603_CAPC1608X95N" SMD_0603_CAPC1608X95N -8.8,-54.6 r0 top
C279 "SMD_0603_CAPC1608X95N" SMD_0603_CAPC1608X95N -8.8,-59.6 r0 top
C280 "SMD_0603_CAPC1608X95N" SMD_0603_CAPC1608X95N -8.8,-69.6 r0 top
C281 "SMD_0603_CAPC1608X95N" SMD_0603_CAPC1608X95N -8.8,-74.6 r0 top
C282 "SMD_0603_CAPC1608X95N" SMD_0603_CAPC1608X95N -8.8,-89.6 r0 top
C283 "SMD_0603_CAPC1608X95N" SMD_0603_CAPC1608X95N -8.8,-94.6 r0 top
C284 "SMD_0603_CAPC1608X95N" SMD_0603_CAPC1608X95N 72.2,-104.6 r180 top
C285 "SMD_0603_CAPC1608X95N" SMD_0603_CAPC1608X95N 72.2,-99.6 r180 top
C286 "SMD_0603_CAPC1608X95N" SMD_0603_CAPC1608X95N 72.2,-34.6 r180 top
C287 "SMD_0603_CAPC1608X95N" SMD_0603_CAPC1608X95N 72.2,-39.6 r180 top
C288 "SMD_0603_CAPC1608X95N" SMD_0603_CAPC1608X95N 72.2,-44.6 r180 top
C289 "SMD_0603_CAPC1608X95N" SMD_0603_CAPC1608X95N 72.2,-49.6 r180 top
C290 "SMD_0603_CAPC1608X95N" SMD_0603_CAPC1608X95N 72.2,-54.6 r180 top
C291 "SMD_0603_CAPC1608X95N" SMD_0603_CAPC1608X95N 72.2,-59.6 r180 top
C292 "SMD_0603_CAPC1608X95N" SMD_0603_CAPC1608X95N 72.2,-69.6 r180 top
C293 "SMD_0603_CAPC1608X95N" SMD_0603_CAPC1608X95N 72.2,-74.6 r180 top
C294 "SMD_0603_CAPC1608X95N" SMD_0603_CAPC1608X95N -8.8,-104.6 r0 top
C295 "SMD_0603_CAPC1608X95N" SMD_0603_CAPC1608X95N 72.2,-89.6 r180 top
C296 "SMD_0603_CAPC1608X95N" SMD_0603_CAPC1608X95N 72.2,-94.6 r180 top
C297 "SMD_0603_CAPC1608X95N" SMD_0603_CAPC1608X95N 92.7,-84.6 r180 top
C298 "SMD_0603_CAPC1608X95N" SMD_0603_CAPC1608X95N 92.7,-74.6 r180 top
C299 "SMD_0603_CAPC1608X95N" SMD_0603_CAPC1608X95N 92.7,-49.6 r180 top
C300 "SMD_0603_CAPC1608X95N" SMD_0603_CAPC1608X95N 92.7,-69.6 r180 top
C301 "SMD_0603_CAPC1608X95N" SMD_0603_CAPC1608X95N 92.7,-39.6 r180 top
C302 "SMD_0603_CAPC1608X95N" SMD_0603_CAPC1608X95N 92.7,-64.6 r180 top
C303 "SMD_0603_CAPC1608X95N" SMD_0603_CAPC1608X95N 92.7,-54.6 r180 top
C304 "SMD_0603_CAPC1608X95N" SMD_0603_CAPC1608X95N 92.7,-59.6 r180 top
C305 "SMD_0603_CAPC1608X95N" SMD_0603_CAPC1608X95N 92.7,-44.6 r180 top
C306 "SMD_0603_CAPC1608X95N" SMD_0603_CAPC1608X95N 92.7,-79.6 r180 top
C307 "SMD_1210_CAPC3225X279N" SMD_1210_CAPC3225X279N 72.7,-37.1 r180 top
C308 "SMD_1210_CAPC3225X279N" SMD_1210_CAPC3225X279N -9.3,-37.1 r0 top
C309 "SMD_1210_CAPC3225X279N" SMD_1210_CAPC3225X279N -9.3,-47.1 r0 top
C310 "SMD_1210_CAPC3225X279N" SMD_1210_CAPC3225X279N -9.3,-57.1 r0 top
C311 "SMD_1210_CAPC3225X279N" SMD_1210_CAPC3225X279N -9.3,-102.1 r0 top
C312 "SMD_1210_CAPC3225X279N" SMD_1210_CAPC3225X279N -9.3,-97.1 r0 top
C313 "SMD_1210_CAPC3225X279N" SMD_1210_CAPC3225X279N -9.3,-92.1 r0 top
C314 "SMD_1210_CAPC3225X279N" SMD_1210_CAPC3225X279N -9.3,-87.1 r0 top
C315 "SMD_1210_CAPC3225X279N" SMD_1210_CAPC3225X279N -9.3,-82.1 r0 top
C316 "SMD_1210_CAPC3225X279N" SMD_1210_CAPC3225X279N -9.3,-77.1 r0 top
C317 "SMD_1210_CAPC3225X279N" SMD_1210_CAPC3225X279N -9.3,-72.1 r0 top
C318 "SMD_1210_CAPC3225X279N" SMD_1210_CAPC3225X279N -9.3,-67.1 r0 top
C319 "SMD_1210_CAPC3225X279N" SMD_1210_CAPC3225X279N -9.3,-62.1 r0 top
C320 "SMD_1210_CAPC3225X279N" SMD_1210_CAPC3225X279N -9.3,-42.1 r0 top
C321 "SMD_1210_CAPC3225X279N" SMD_1210_CAPC3225X279N -9.3,-52.1 r0 top
C322 "SMD_1210_CAPC3225X279N" SMD_1210_CAPC3225X279N 72.7,-47.1 r180 top
C323 "SMD_1210_CAPC3225X279N" SMD_1210_CAPC3225X279N 72.7,-57.1 r180 top
C324 "SMD_1210_CAPC3225X279N" SMD_1210_CAPC3225X279N 72.7,-102.1 r180 top
C325 "SMD_1210_CAPC3225X279N" SMD_1210_CAPC3225X279N 72.702,-97.197 r180 top
C326 "SMD_1210_CAPC3225X279N" SMD_1210_CAPC3225X279N 72.7,-92.1 r180 top
C327 "SMD_1210_CAPC3225X279N" SMD_1210_CAPC3225X279N 72.7,-87.1 r180 top
C328 "SMD_1210_CAPC3225X279N" SMD_1210_CAPC3225X279N 72.7,-82.1 r180 top
C329 "SMD_1210_CAPC3225X279N" SMD_1210_CAPC3225X279N 72.7,-77.1 r180 top
C330 "SMD_1210_CAPC3225X279N" SMD_1210_CAPC3225X279N 72.7,-72.1 r180 top
C331 "SMD_1210_CAPC3225X279N" SMD_1210_CAPC3225X279N 72.7,-67.1 r180 top
C332 "SMD_1210_CAPC3225X279N" SMD_1210_CAPC3225X279N 72.7,-62.1 r180 top
C333 "SMD_1210_CAPC3225X279N" SMD_1210_CAPC3225X279N 72.7,-42.1 r180 top
C334 "SMD_1210_CAPC3225X279N" SMD_1210_CAPC3225X279N 72.7,-52.1 r180 top
C335 "SMD_1210_CAPC3225X279N" SMD_1210_CAPC3225X279N 72.7,-107.1 r180 top
C336 "SMD_1210_CAPC3225X279N" SMD_1210_CAPC3225X279N -9.3,-107.1 r0 top
C337 "SMD_1210_CAPC3225X279N" SMD_1210_CAPC3225X279N 92.7,-77.1 r180 top
C338 "SMD_1210_CAPC3225X279N" SMD_1210_CAPC3225X279N 92.7,-72.1 r180 top
C339 "SMD_1210_CAPC3225X279N" SMD_1210_CAPC3225X279N 92.7,-47.1 r180 top
C340 "SMD_1210_CAPC3225X279N" SMD_1210_CAPC3225X279N 92.7,-42.1 r180 top
C341 "SMD_1210_CAPC3225X279N" SMD_1210_CAPC3225X279N 92.7,-57.1 r180 top
C342 "SMD_1210_CAPC3225X279N" SMD_1210_CAPC3225X279N 92.7,-52.1 r180 top
C343 "SMD_1210_CAPC3225X279N" SMD_1210_CAPC3225X279N 92.7,-62.1 r180 top
C344 "SMD_1210_CAPC3225X279N" SMD_1210_CAPC3225X279N 92.7,-67.1 r180 top
C345 "SMD_1210_CAPC3225X279N" SMD_1210_CAPC3225X279N 92.7,-37.1 r180 top
C346 "SMD_1210_CAPC3225X279N" SMD_1210_CAPC3225X279N 92.7,-82.1 r180 top
C347 "SMD_0603_CAPC1608X95N" SMD_0603_CAPC1608X95N 96,118 r90 top
C348 "SMD_1210_CAPC3225X270N" SMD_1210_CAPC3225X270N 46.3,26.4 r180 top
C349 "SMD_1210_CAPC3225X270N" SMD_1210_CAPC3225X270N 48.8,30.5 r90 top
C350 "SMD_1210_CAPC3225X279N" SMD_1210_CAPC3225X279N 45.1,42.9 r180 top
C351 "SMD_1210_CAPC3225X279N" SMD_1210_CAPC3225X279N 45.1,46.2 r180 top
C352 "SMD_1210_CAPC3225X279N" SMD_1210_CAPC3225X279N 45.1,39.6 r180 top
C353 "SMD_1210_CAPC3225X270N" SMD_1210_CAPC3225X270N 52.5,8 r0 top
C354 "SMD_1210_CAPC3225X270N" SMD_1210_CAPC3225X270N 50,3.9 r270 top
C355 "SMD_1210_CAPC3225X279N" SMD_1210_CAPC3225X279N 53.7,-8.5 r0 top
C356 "SMD_1210_CAPC3225X279N" SMD_1210_CAPC3225X279N 53.7,-11.8 r0 top
C357 "SMD_1210_CAPC3225X279N" SMD_1210_CAPC3225X279N 53.7,-5.2 r0 top
C358 "SMD_1210_CAPC3225X270N" SMD_1210_CAPC3225X270N 66.1,8 r0 top
C359 "SMD_1210_CAPC3225X270N" SMD_1210_CAPC3225X270N 63.6,3.9 r270 top
C360 "SMD_1210_CAPC3225X279N" SMD_1210_CAPC3225X279N 67.3,-8.5 r0 top
C361 "SMD_1210_CAPC3225X279N" SMD_1210_CAPC3225X279N 67.3,-11.8 r0 top
C362 "SMD_1210_CAPC3225X279N" SMD_1210_CAPC3225X279N 67.3,-5.2 r0 top
C363 "SMD_1210_CAPC3225X270N" SMD_1210_CAPC3225X270N 79.7,8 r0 top
C364 "SMD_1210_CAPC3225X270N" SMD_1210_CAPC3225X270N 77.2,3.9 r270 top
C365 "SMD_1210_CAPC3225X279N" SMD_1210_CAPC3225X279N 80.9,-8.5 r0 top
C366 "SMD_1210_CAPC3225X279N" SMD_1210_CAPC3225X279N 80.9,-11.8 r0 top
C367 "SMD_1210_CAPC3225X279N" SMD_1210_CAPC3225X279N 80.9,-5.2 r0 top
C368 "SMD_1210_CAPC3225X270N" SMD_1210_CAPC3225X270N 93.3,8 r0 top
C369 "SMD_1210_CAPC3225X270N" SMD_1210_CAPC3225X270N 90.8,3.9 r270 top
C370 "SMD_1210_CAPC3225X279N" SMD_1210_CAPC3225X279N 94.5,-8.5 r0 top
C371 "SMD_1210_CAPC3225X279N" SMD_1210_CAPC3225X279N 94.5,-11.8 r0 top
C372 "SMD_1210_CAPC3225X279N" SMD_1210_CAPC3225X279N 94.5,-5.2 r0 top
C373 "SMD_1210_CAPC3225X270N" SMD_1210_CAPC3225X270N -1.9,8 r0 top
C374 "SMD_1210_CAPC3225X270N" SMD_1210_CAPC3225X270N -4.4,3.9 r270 top
C375 "SMD_1210_CAPC3225X279N" SMD_1210_CAPC3225X279N -0.7,-8.5 r0 top
C376 "SMD_1210_CAPC3225X279N" SMD_1210_CAPC3225X279N -0.7,-11.8 r0 top
C377 "SMD_1210_CAPC3225X279N" SMD_1210_CAPC3225X279N -0.7,-5.2 r0 top
C378 "SMD_1210_CAPC3225X270N" SMD_1210_CAPC3225X270N 11.7,8 r0 top
C379 "SMD_1210_CAPC3225X270N" SMD_1210_CAPC3225X270N 9.2,3.9 r270 top
C380 "SMD_1210_CAPC3225X279N" SMD_1210_CAPC3225X279N 12.9,-8.5 r0 top
C381 "SMD_1210_CAPC3225X279N" SMD_1210_CAPC3225X279N 12.9,-11.8 r0 top
C382 "SMD_1210_CAPC3225X279N" SMD_1210_CAPC3225X279N 12.9,-5.2 r0 top
C383 "SMD_1210_CAPC3225X270N" SMD_1210_CAPC3225X270N 25.3,8 r0 top
C384 "SMD_1210_CAPC3225X270N" SMD_1210_CAPC3225X270N 22.8,3.9 r270 top
C385 "SMD_1210_CAPC3225X279N" SMD_1210_CAPC3225X279N 26.5,-8.5 r0 top
C386 "SMD_1210_CAPC3225X279N" SMD_1210_CAPC3225X279N 26.5,-11.8 r0 top
C387 "SMD_1210_CAPC3225X279N" SMD_1210_CAPC3225X279N 26.5,-5.2 r0 top
C388 "SMD_1210_CAPC3225X279N" SMD_1210_CAPC3225X279N 40.1,-8.5 r0 top
C389 "SMD_1210_CAPC3225X279N" SMD_1210_CAPC3225X279N 40.1,-11.8 r0 top
C390 "SMD_1210_CAPC3225X279N" SMD_1210_CAPC3225X279N 40.1,-5.2 r0 top
C391 "SMD_1210_CAPC3225X270N" SMD_1210_CAPC3225X270N 38.9,8 r0 top
C392 "SMD_1210_CAPC3225X270N" SMD_1210_CAPC3225X270N 36.4,3.9 r270 top
C393 "SMD_1210_CAPC3225X279N" SMD_1210_CAPC3225X279N 58.7,42.9 r180 top
C394 "SMD_1210_CAPC3225X279N" SMD_1210_CAPC3225X279N 58.7,46.2 r180 top
C395 "SMD_1210_CAPC3225X279N" SMD_1210_CAPC3225X279N 58.7,39.6 r180 top
C396 "SMD_1210_CAPC3225X279N" SMD_1210_CAPC3225X279N 72.3,42.9 r180 top
C397 "SMD_1210_CAPC3225X279N" SMD_1210_CAPC3225X279N 72.3,46.2 r180 top
C398 "SMD_1210_CAPC3225X279N" SMD_1210_CAPC3225X279N 72.3,39.6 r180 top
C399 "SMD_1210_CAPC3225X279N" SMD_1210_CAPC3225X279N 85.9,42.9 r180 top
C400 "SMD_1210_CAPC3225X279N" SMD_1210_CAPC3225X279N 85.9,46.2 r180 top
C401 "SMD_1210_CAPC3225X279N" SMD_1210_CAPC3225X279N 85.9,39.6 r180 top